# Altium PCB DIOT_8ch_isoSPI1.PcbDoc (part 3 of 5)
Units mm, origin at the board's own origin, x right, y up, seen from the top; angles counter-clockwise.
Board outline 222.37 x 100 mm, 4 copper layers (L1, P2, P3, L4), stack 1.512 mm thick; 416 components, 332 nets, 1541 pads, 695 vias.
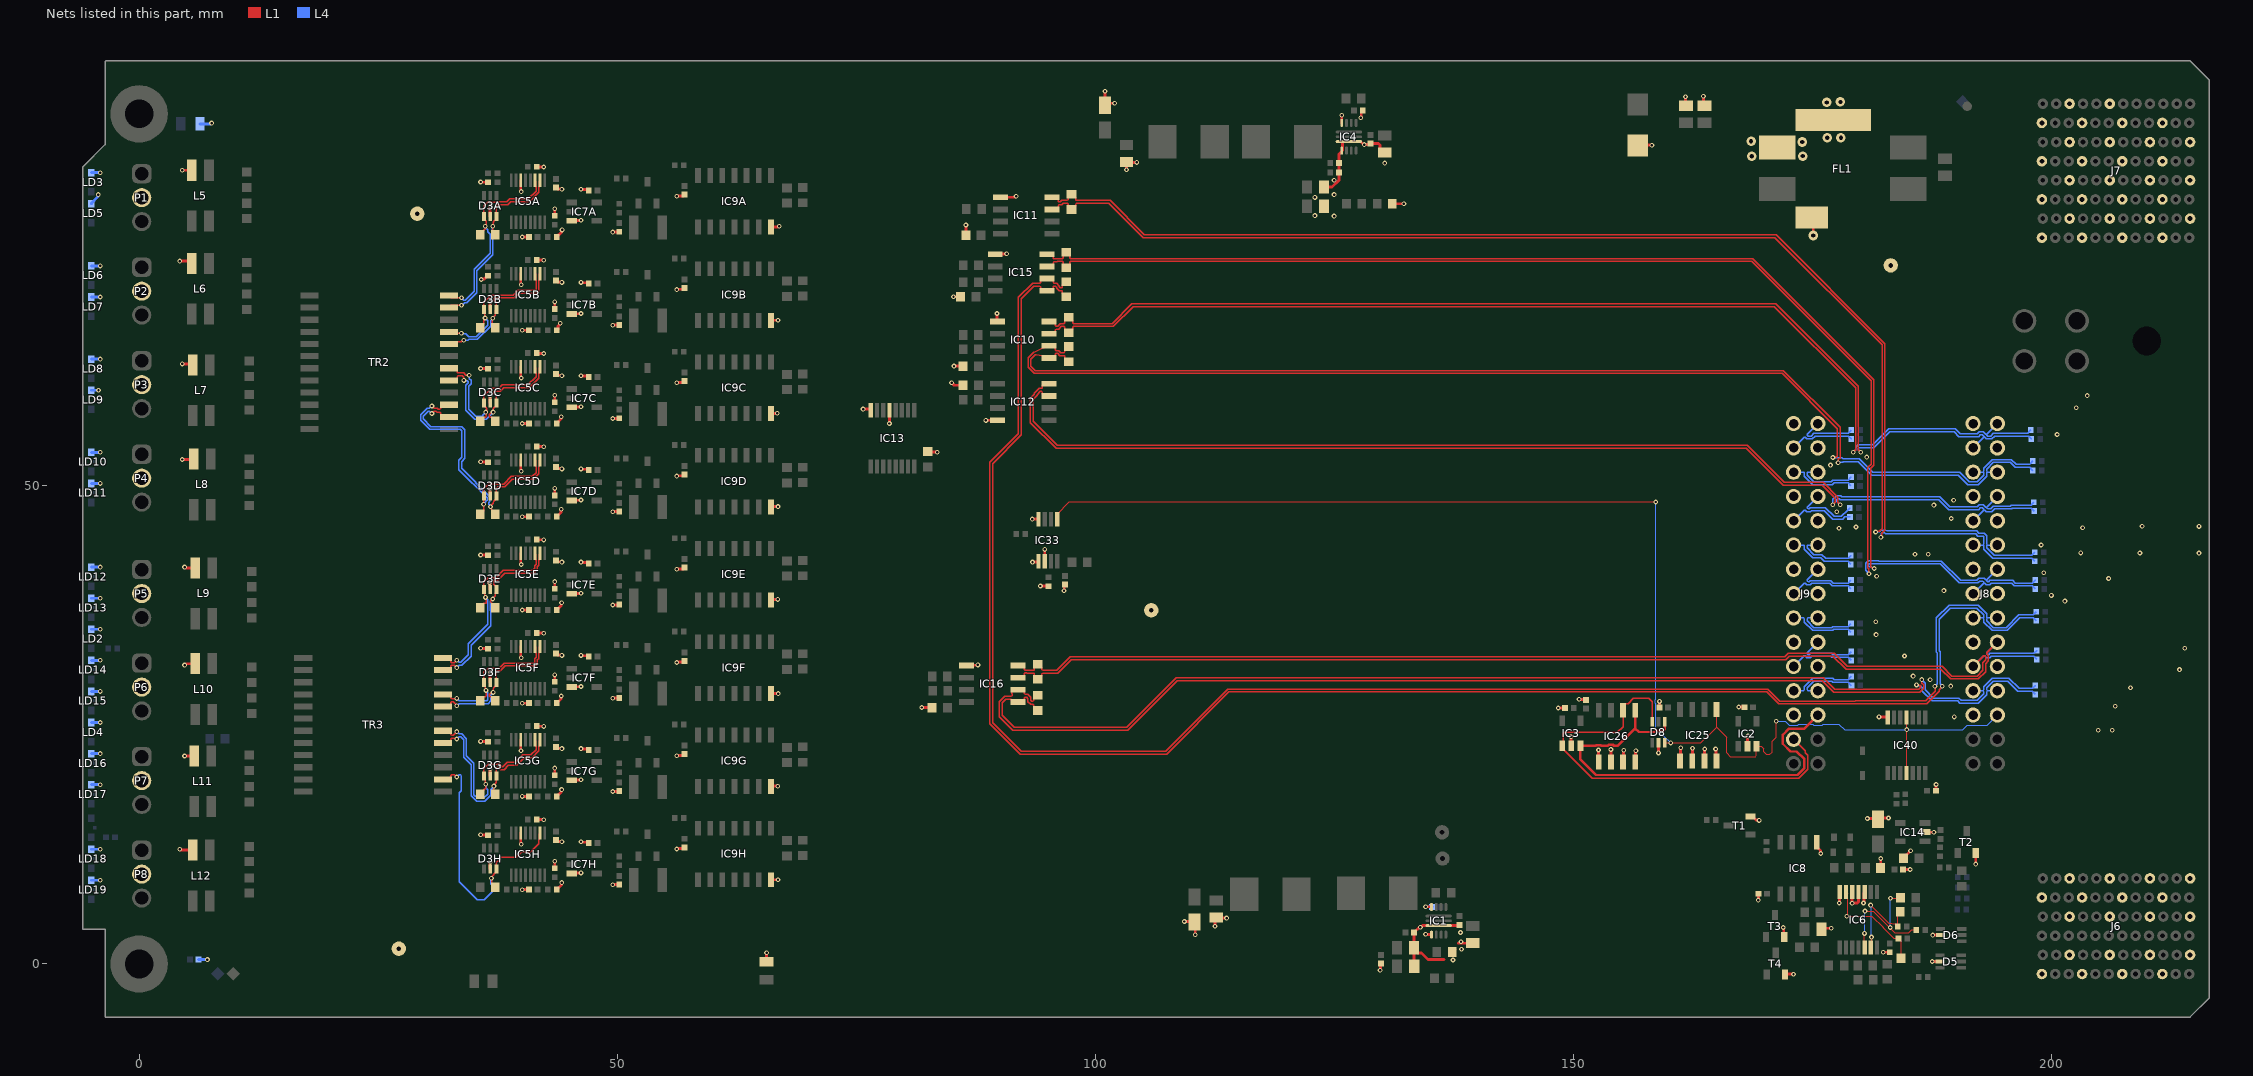
[diagram p5: the nets of this part, all layers, seen from the top]

## Via types
v1: diameter 0.5, hole 0.25, L1 to L4, tented both sides, 669 vias
v2: diameter 1, hole 0.45, L1 to L4, tented both sides, 26 vias

## Nets (pads, with @x,y where several pads share a name; then routed paths per layer and width w, separated by ;. In a path a pad name is that pad's centre, name@x,y a point inside that pad or via, vN(x,y) a via of type N, cw(c..) or ccw(c..) an arc to the next point about the centre after c; other vN are vias at no path point) (continued)
EEM0_I2C.SDA: D8.3 IC2.3 IC25.5 IC33.1 IC40.4 IC40.11 J8.26 | length 140.9
  L1 w0.125: IC33.1@95.992,46.507 95.992,47.032 97.27,48.311 v1(158.598,48.311) ; D8.3@159.527,23.132 159.545,23.114 163.297,23.114 164.948,24.765 ; IC25.5@164.948,26.627 164.948,24.765 ; v1(171.196,25.375) 171.196,23.698 170.785,23.287 170.785,22.163 170.528,21.906 170.163,21.906 169.887,22.182 169.887,22.503 169.611,22.779 IC2.3@169.123,22.779 169.123,21.765 169.05,21.692 166.395,21.692 166.014,22.073 166.014,23.701 165.941,23.774 165.938,23.774 164.948,24.765 ; IC40.11@184.81,19.985 184.836,20.011 v1(184.836,24.511) 184.836,25.76 IC40.4@184.81,25.785
  L4 w0.125: v1(158.598,48.311) 158.598,27.698 158.539,27.639 158.539,27.275 158.598,27.217 158.598,24.536 159.273,23.861 159.4,23.861 v1(160.147,23.114) ; v1(171.196,25.375) 172.155,25.375 172.563,24.967 173.443,24.967 173.544,25.068 175.002,25.068 175.103,24.967 175.983,24.967 176.084,25.068 177.751,25.068 178.333,24.486 190.678,24.486 191.16,24.968 193.25,24.968 J8.26@194.313,26.03
EEM_IO.LVDS_N0: IC10.4 J8.3 R26.2 R161.2 | length 119
  L1 w0.14: IC10.4@95.154,67.175 95.572,67.175 95.802,66.945 95.802,66.772 95.884,66.69 96.041,66.69 96.321,66.97 96.692,66.97 96.774,67.052 96.774,67.24 97.154,67.62 R26.2@97.204,67.62 97.254,67.62 97.634,67.24 97.634,67.052 97.716,66.97 101.73,66.97 103.81,69.05 171.124,69.05 179.787,60.387 179.787,53.762 180.025,53.525 v1(180.025,53.5)
  L4 w0.14: v1(180.025,53.5) 180.025,53.525 179.787,53.762 179.787,53.913 179.87,53.995 181.401,53.995 183.054,55.647 189.793,55.647 190.3,55.14 192.34,55.14 192.543,55.343 192.728,55.343 192.879,55.192 192.879,55.14 ; J8.3@191.773,53.97 192.879,55.076 192.879,55.14 ; R161.2@197.879,54.889 197.879,54.909 197.579,55.209 195.678,55.209 195.669,55.2 194.03,55.2 193.736,54.906 193.165,54.906 192.931,55.14 192.879,55.14
EEM_IO.LVDS_N1: IC10.1 J8.6 R24.1 R162.2 | length 121.1
  L1 w0.14: R24.1@97.204,62.97 97.189,62.97 96.809,63.35 96.809,63.538 96.727,63.62 96.271,63.62 96.041,63.85 95.884,63.85 95.802,63.768 95.802,63.595 95.572,63.365 94.679,63.365 94.449,63.595 93.811,63.723 ccw(c93.783,63.585) 93.685,63.685 93.25,63.25 93.25,62.5 93.7,62.05 171.939,62.05 177.874,56.115 177.874,52.959 177.68,52.764 177.68,52.428 v1(177.662,52.411)
  L4 w0.14: v1(177.662,52.411) 177.708,52.457 178.122,52.457 178.192,52.527 179.763,52.527 181.169,51.121 190.229,51.121 191.23,50.12 192.315,50.12 193.193,50.997 193.193,51.348 193.275,51.43 ; J8.6@194.313,51.43 193.275,51.43 ; R162.2@198.006,51.587 197.786,51.807 197.786,51.863 197.704,51.945 196.161,51.945 195.666,52.44 193.895,52.44 193.193,51.738 193.193,51.512 193.275,51.43
EEM_IO.LVDS_N2: IC12.7 J8.9 R163.2 | length 117
  L1 w0.14: IC12.7@95.154,59.405 94.679,59.405 94.449,59.635 94.449,59.808 94.367,59.89 94.251,59.89 93.9,59.539 93.9,59.458 93.497,59.055 93.497,56.744 96.012,54.229 168.169,54.229 172.039,50.359 173.446,50.359 173.455,50.368 175.025,50.368 175.034,50.359 176.1,50.359 177.639,48.82 177.639,48.293 177.876,48.056 v1(177.876,48.031)
  L4 w0.14: v1(177.876,48.031) 177.541,48.366 177.541,48.587 177.623,48.669 177.793,48.669 177.898,48.565 188.189,48.565 189.233,47.52 192.34,47.52 192.543,47.723 192.728,47.723 192.879,47.572 192.879,47.456 ; J8.9@191.773,46.35 192.879,47.456 ; R163.2@198.158,47.346 198.158,47.366 197.863,47.66 195.872,47.66 195.792,47.58 194.03,47.58 193.736,47.286 193.165,47.286 192.995,47.456 192.879,47.456
EEM_IO.LVDS_N3: IC11.3 J8.12 R29.1 R164.2 | length 133.9
  L1 w0.14: IC11.3@95.454,78.905 95.872,78.905 96.102,79.135 96.102,79.308 96.184,79.39 96.465,79.39 96.621,79.546 97.055,79.546 97.137,79.464 97.137,79.254 R29.1@97.495,78.896 97.545,78.896 97.925,79.276 97.925,79.464 98.007,79.546 101.398,79.546 104.994,75.95 171.05,75.95 182.25,64.75 182.25,49.5 182.25,45.5 181.987,45.237 181.651,45.237 v1(181.582,45.168)
  L4 w0.14: v1(181.582,45.168) 181.599,45.185 181.935,45.185 182.13,45.38 182.644,45.38 182.724,45.3 191.31,45.3 191.33,45.28 192.155,45.28 192.386,45.05 192.935,45.05 193.193,44.792 193.193,43.892 193.275,43.81 ; J8.12@194.313,43.81 193.275,43.81 ; R164.2@198.209,43.053 198.209,43.033 197.909,42.733 193.961,42.733 193.193,43.502 193.193,43.728 193.275,43.81
EEM_IO.LVDS_N4: IC15.4 J8.15 R42.2 R167.2 | length 134.3
  L1 w0.14: IC15.4@94.916,74.213 95.334,74.213 95.564,73.983 95.564,73.81 95.646,73.728 95.854,73.728 95.884,73.758 96.526,73.758 96.608,73.84 96.608,74.05 R42.2@96.966,74.408 97.324,74.05 97.324,73.84 97.406,73.758 168.742,73.758 181.401,61.099 181.401,52.151 181.079,51.829 181.079,41.533 181.191,41.42 181.363,41.42 v1(181.432,41.351)
  L4 w0.14: v1(181.432,41.351) 181.335,41.351 181.124,41.562 180.928,41.562 180.833,41.657 180.833,41.773 180.922,41.862 181.776,41.862 181.801,41.837 188.338,41.837 190.334,39.841 192.281,39.841 192.474,40.034 192.797,40.034 192.879,39.952 192.879,39.836 ; J8.15@191.773,38.73 192.879,39.836 ; R167.2@198.26,39.218 198.26,39.238 197.96,39.538 196.056,39.538 195.794,39.8 193.663,39.8 193.529,39.666 193.165,39.666 192.995,39.836 192.879,39.836
EEM_IO.LVDS_N5: IC15.1 J8.18 R36.1 R168.2 | length 177.5
  L1 w0.14: R36.1@96.966,69.758 96.916,69.758 96.536,70.138 96.536,70.326 96.454,70.408 96.214,70.408 95.939,70.683 95.939,70.752 95.803,70.888 95.646,70.888 95.564,70.806 95.564,70.633 95.334,70.403 IC15.1@94.916,70.403 94.498,70.403 94.268,70.633 94.268,70.806 94.186,70.888 93.562,70.888 92.25,69.576 92.25,55.326 89.25,52.326 89.25,25.25 92.25,22.25 107.326,22.25 113.829,28.753 170.325,28.753 171.579,27.499 179.432,27.499 179.441,27.508 186.825,27.508 187.819,28.502 187.819,28.996 v1(187.782,29.032)
  L4 w0.14: v1(187.782,29.032) 187.782,29.057 188.02,29.294 188.02,32.536 187.939,32.616 187.939,36.192 189.258,37.511 192.305,37.511 193.193,36.623 193.193,36.272 193.275,36.19 ; J8.18@194.313,36.19 193.275,36.19 ; R168.2@198.387,36.83 198.387,36.81 198.087,36.51 196.546,36.51 195.216,35.18 193.895,35.18 193.193,35.882 193.193,36.108 193.275,36.19
EEM_IO.LVDS_N6: IC16.4 J8.21 R48.2 R169.2 | length 114.7
  L1 w0.14: IC16.4@91.916,31.213 92.334,31.213 92.564,30.983 92.564,30.81 92.646,30.728 92.927,30.728 92.947,30.708 93.526,30.708 93.608,30.79 93.608,31 R48.2@93.966,31.358 94.016,31.358 94.396,30.978 94.396,30.79 94.478,30.708 95.944,30.708 97.362,32.126 172.083,32.126 172.435,32.479 177.241,32.479 178.61,31.11 188.542,31.11 189.552,30.1 192.191,30.1 192.783,30.692 192.783,31.517 193.077,31.811 193.077,32.134 192.995,32.216 192.879,32.216 J8.21@191.773,31.11
  L4 w0.14: J8.21@191.773,31.11 192.879,32.216 192.995,32.216 193.165,32.046 193.529,32.046 193.663,32.18 196.01,32.18 196.018,32.172 198.138,32.172 198.437,31.872 R169.2@198.437,31.852
EEM_IO.LVDS_N7: IC16.1 J8.24 R45.1 R170.2 | length 122.9
  L1 w0.14: R45.1@93.966,26.508 93.916,26.508 93.536,26.888 93.536,27.076 93.454,27.158 93.214,27.158 92.939,27.433 92.939,27.752 92.803,27.888 92.646,27.888 92.564,27.806 92.564,27.633 92.334,27.403 IC16.1@91.916,27.403 91.441,27.403 91.155,27.689 90.618,27.689 90.25,27.321 90.25,26 91.5,24.75 103.263,24.75 108.452,29.939 176.11,29.939 177.325,28.725 186.092,28.725 186.312,28.944 186.312,29.06 186.205,29.167 185.869,29.167 v1(185.852,29.185)
  L4 w0.14: v1(185.852,29.185) 185.921,29.116 186.269,29.116 186.478,28.908 186.478,28.527 187.505,27.499 190.153,27.499 190.392,27.26 192.315,27.26 193.193,28.137 193.193,28.488 193.275,28.57 ; J8.24@194.313,28.57 193.275,28.57 ; R170.2@198.26,28.194 198.26,28.214 197.96,28.514 196.464,28.514 195.398,29.58 193.895,29.58 193.193,28.878 193.193,28.652 193.275,28.57
EEM_IO.LVDS_N8: J9.3 R171.2 | length 6.8
  L4 w0.14: J9.3@173.003,53.969 174.109,55.075 174.225,55.075 174.395,54.905 174.966,54.905 175.26,55.199 176.891,55.199 176.902,55.209 178.732,55.209 179.032,54.909 R171.2@179.032,54.889
EEM_IO.LVDS_N9: J9.6 R172.2 | length 6.5
  L4 w0.14: J9.6@175.543,51.429 174.505,51.429 174.423,51.347 174.423,51.121 175.125,50.419 176.935,50.419 177.123,50.607 178.707,50.607 179.006,50.907 R172.2@179.006,50.927
EEM_IO.LVDS_N10: J9.9 R173.2 | length 7
  L4 w0.14: J9.9@173.003,46.349 174.109,47.455 174.225,47.455 174.395,47.285 174.759,47.285 174.893,47.419 176.21,47.419 177.117,46.512 178.127,46.512 178.376,46.761 R173.2@178.905,46.761
EEM_IO.LVDS_N11: J9.12 R174.2 | length 6.6
  L4 w0.14: J9.12@175.543,43.809 174.505,43.809 174.423,43.727 174.423,43.501 175.125,42.799 175.95,42.799 176.346,42.403 178.694,42.403 178.994,42.703 R174.2@178.994,42.723
EEM_IO.LVDS_N12: J9.15 R175.2 | length 6.8
  L4 w0.14: J9.15@173.003,38.729 174.109,39.835 174.225,39.835 174.395,39.665 174.759,39.665 174.893,39.799 176.776,39.799 177.05,39.525 178.719,39.525 179.006,39.238 R175.2@179.006,39.218
EEM_IO.LVDS_N13: J9.18 R176.2 | length 6.4
  L4 w0.14: J9.18@175.543,36.189 174.505,36.189 174.423,36.107 174.423,35.881 175.125,35.179 176.979,35.179 177.079,35.278 178.719,35.278 179.006,35.565 R176.2@179.006,35.585
EEM_IO.LVDS_N14: J9.21 R177.2 | length 6.8
  L4 w0.14: J9.21@173.003,31.109 174.109,32.215 174.225,32.215 174.395,32.045 174.759,32.045 174.893,32.179 176.865,32.179 176.987,32.057 178.745,32.057 179.032,31.77 R177.2@179.032,31.75
EEM_IO.LVDS_N15: J9.24 R144.1 | length 6.5
  L4 w0.14: J9.24@175.543,28.569 174.505,28.569 174.423,28.651 174.423,28.877 175.125,29.579 176.978,29.579 177.118,29.438 178.755,29.438 178.837,29.356 178.837,29.328 R144.1@179.057,29.108
EEM_IO.LVDS_P0: IC10.3 J8.2 R26.1 R145.2 | length 119
  L1 w0.14: IC10.3@95.154,65.905 95.572,65.905 95.802,66.135 95.802,66.308 95.884,66.39 96.165,66.39 96.445,66.67 96.692,66.67 96.774,66.588 96.774,66.4 97.154,66.02 R26.1@97.204,66.02 97.254,66.02 97.634,66.4 97.634,66.588 97.716,66.67 ; 97.766,66.67 97.716,66.67 ; v1(179.25,53.5) 179.25,53.525 179.487,53.762 179.487,60.263 171,68.75 103.934,68.75 101.854,66.67 97.716,66.67
  L4 w0.14: v1(179.25,53.5) 179.25,53.525 179.487,53.762 179.487,54.037 179.745,54.295 181.277,54.295 182.929,55.947 189.917,55.947 190.424,55.44 192.216,55.44 192.419,55.643 192.852,55.643 193.091,55.404 193.207,55.404 ; J8.2@194.313,56.51 193.207,55.404 ; R145.2@197.815,55.855 197.595,55.635 197.595,55.591 197.513,55.509 195.553,55.509 195.545,55.5 193.905,55.5 193.611,55.206 193.289,55.206 193.207,55.288 193.207,55.404
EEM_IO.LVDS_P1: IC10.2 J8.5 R24.2 R146.2 | length 121.9
  L1 w0.14: R24.2@97.204,64.57 97.189,64.57 96.809,64.19 96.809,64.002 96.727,63.92 96.395,63.92 96.165,64.15 95.884,64.15 95.802,64.232 95.802,64.405 95.572,64.635 94.449,64.405 93.588,63.98 ccw(c93.783,63.585) 93.475,63.899 ccw(c93.572,63.798) 93.474,63.898 92.95,63.374 92.95,62.376 93.576,61.75 171.815,61.75 177.574,55.991 177.574,53.083 177.467,52.976 177.132,52.976 v1(177.114,52.959)
  L4 w0.14: v1(177.114,52.959) 178.06,52.959 178.192,52.827 179.888,52.827 181.294,51.421 190.353,51.421 191.355,50.42 192.191,50.42 192.893,51.122 192.893,51.348 192.811,51.43 ; J8.5@191.773,51.43 192.811,51.43 ; R146.2@198.006,52.603 197.786,52.383 197.786,52.327 197.704,52.245 196.285,52.245 195.791,52.74 193.77,52.74 192.893,51.863 192.893,51.512 192.811,51.43
EEM_IO.LVDS_P2: IC12.8 J8.8 R147.2 | length 117.9
  L1 w0.14: IC12.8@95.154,60.675 94.679,60.675 94.449,60.445 94.449,60.272 94.367,60.19 94.127,60.19 93.6,59.663 93.6,59.582 93.197,59.179 93.197,56.619 95.888,53.929 168.044,53.929 171.914,50.059 173.57,50.059 173.58,50.068 174.901,50.068 174.91,50.059 175.976,50.059 177.339,48.696 177.339,48.293 177.101,48.056 v1(177.101,48.031)
  L4 w0.14: v1(177.101,48.031) 177.101,48.572 177.499,48.969 177.917,48.969 178.022,48.865 188.313,48.865 189.358,47.82 192.216,47.82 192.419,48.023 192.852,48.023 193.091,47.784 193.207,47.784 ; J8.8@194.313,48.89 193.207,47.784 ; R147.2@198.133,48.285 197.913,48.065 197.913,48.042 197.831,47.96 195.748,47.96 195.668,47.88 193.905,47.88 193.611,47.586 193.289,47.586 193.207,47.668 193.207,47.784
EEM_IO.LVDS_P3: IC11.4 J8.11 R29.2 R148.2 | length 134.4
  L1 w0.14: IC11.4@95.454,80.175 95.872,80.175 96.102,79.945 96.102,79.772 96.184,79.69 96.341,79.69 96.497,79.846 97.055,79.846 97.137,79.928 97.137,80.138 R29.2@97.495,80.496 97.545,80.496 97.925,80.116 97.925,79.928 98.007,79.846 101.522,79.846 105.118,76.25 171.174,76.25 182.55,64.874 182.55,49.376 182.55,45.376 182.199,45.025 182.199,44.689 v1(182.13,44.62)
  L4 w0.14: v1(182.13,44.62) 182.147,44.637 182.147,44.973 182.254,45.08 182.52,45.08 182.6,45 191.185,45 191.205,44.98 192.031,44.98 192.261,44.75 192.811,44.75 192.893,44.668 192.893,43.892 192.811,43.81 ; J8.11@191.773,43.81 192.811,43.81 ; R148.2@198.209,42.113 198.209,42.133 197.909,42.433 193.837,42.433 192.893,43.377 192.893,43.728 192.811,43.81
EEM_IO.LVDS_P4: IC15.3 J8.14 R42.1 R149.2 | length 134.9
  L1 w0.14: IC15.3@94.916,72.943 95.334,72.943 95.564,73.173 95.564,73.346 95.646,73.428 95.978,73.428 96.008,73.458 96.526,73.458 96.608,73.376 96.608,73.166 R42.1@96.966,72.808 97.324,73.166 97.324,73.376 97.406,73.458 168.618,73.458 181.101,60.974 181.101,52.276 180.779,51.953 180.779,41.408 180.884,41.303 v1(180.884,40.803)
  L4 w0.14: v1(180.884,40.803) 180.533,41.154 180.533,41.897 180.798,42.162 181.9,42.162 181.925,42.137 188.462,42.137 190.458,40.141 192.157,40.141 192.35,40.334 192.921,40.334 193.091,40.164 193.207,40.164 ; J8.14@194.313,41.27 193.207,40.164 ; R149.2@198.26,40.157 198.26,40.137 197.96,39.837 196.18,39.837 195.918,40.1 193.539,40.1 193.405,39.966 193.289,39.966 193.207,40.048 193.207,40.164
EEM_IO.LVDS_P5: IC15.2 J8.17 R36.2 R150.2 | length 178.7
  L1 w0.14: R36.2@96.966,71.358 96.916,71.358 96.536,70.978 96.536,70.79 96.454,70.708 96.338,70.708 96.239,70.807 96.239,70.877 95.927,71.188 95.646,71.188 95.564,71.27 95.564,71.443 95.334,71.673 IC15.2@94.916,71.673 94.498,71.673 94.268,71.443 94.268,71.27 94.186,71.188 93.438,71.188 91.95,69.7 91.95,55.45 88.95,52.45 88.95,25.126 92.126,21.95 107.45,21.95 113.953,28.453 170.201,28.453 171.454,27.199 179.556,27.199 179.566,27.208 186.949,27.208 188.26,28.519 188.26,28.679 188.557,28.977 v1(188.557,29.032)
  L4 w0.14: v1(188.557,29.032) 188.557,29.057 188.32,29.294 188.32,32.66 188.239,32.74 188.239,36.068 189.382,37.211 192.18,37.211 192.893,36.498 192.893,36.272 192.811,36.19 ; J8.17@191.773,36.19 192.811,36.19 ; R150.2@198.387,35.89 198.387,35.91 198.087,36.21 196.67,36.21 195.34,34.88 193.77,34.88 192.893,35.757 192.893,36.108 192.811,36.19
EEM_IO.LVDS_P6: IC16.3 J8.20 R48.1 R151.2 | length 115.2
  L1 w0.14: IC16.3@91.916,29.943 92.334,29.943 92.564,30.173 92.564,30.346 92.646,30.428 92.803,30.428 92.823,30.408 93.526,30.408 93.608,30.326 93.608,30.116 R48.1@93.966,29.758 94.016,29.758 94.396,30.138 94.396,30.326 94.478,30.408 96.068,30.408 97.486,31.826 172.207,31.826 172.56,32.179 177.117,32.179 178.486,30.81 188.417,30.81 189.427,29.8 192.315,29.8 193.083,30.567 193.083,31.393 193.377,31.687 193.377,32.258 193.207,32.428 193.207,32.544 J8.20@194.313,33.65
  L4 w0.14: J8.20@194.313,33.65 193.207,32.544 193.207,32.428 193.289,32.346 193.405,32.346 193.539,32.48 196.134,32.48 196.142,32.471 198.138,32.471 198.437,32.771 R151.2@198.437,32.791
EEM_IO.LVDS_P7: IC16.2 J8.23 R45.2 R152.2 | length 124.8
  L1 w0.14: 91.268,28.27 91.268,28.443 91.498,28.673 IC16.2@91.916,28.673 92.334,28.673 92.564,28.443 92.564,28.27 92.646,28.188 92.927,28.188 93.239,27.877 93.239,27.557 93.338,27.458 93.454,27.458 93.536,27.54 93.536,27.728 93.916,28.108 R45.2@93.966,28.108 ; 91.274,28.276 91.274,28.071 91.192,27.989 90.494,27.989 89.95,27.445 89.95,25.876 91.376,24.45 103.387,24.45 108.576,29.639 175.986,29.639 177.201,28.425 186.216,28.425 186.612,28.82 186.612,29.185 186.417,29.379 186.417,29.715 v1(186.4,29.733)
  L4 w0.14: v1(186.4,29.733) 186.778,29.355 186.778,28.651 187.629,27.799 190.277,27.799 190.516,27.56 192.191,27.56 192.893,28.262 192.893,28.488 192.811,28.57 ; J8.23@191.773,28.57 192.811,28.57 ; R152.2@198.26,29.134 198.26,29.114 197.96,28.814 196.588,28.814 195.522,29.88 193.77,29.88 192.893,29.003 192.893,28.652 192.811,28.57
EEM_IO.LVDS_P8: J9.2 R5.2 | length 6.6
  L4 w0.14: J9.2@175.543,56.509 174.437,55.403 174.437,55.287 174.519,55.205 174.841,55.205 175.135,55.499 176.767,55.499 176.777,55.509 178.732,55.509 179.032,55.809 R5.2@179.032,55.829
EEM_IO.LVDS_P9: J9.5 R6.2 | length 7
  L4 w0.14: J9.5@173.003,51.429 174.041,51.429 174.123,51.347 174.123,50.996 175,50.119 177.059,50.119 177.247,50.307 178.707,50.307 179.006,50.007 R6.2@179.006,49.987
EEM_IO.LVDS_P10: J9.8 R7.2 | length 7
  L4 w0.14: J9.8@175.543,48.889 174.437,47.783 174.437,47.667 174.519,47.585 174.635,47.585 174.769,47.719 176.334,47.719 177.241,46.812 178.003,46.812 178.652,47.461 178.672,47.461 178.892,47.681 R7.2@178.892,47.701
EEM_IO.LVDS_P11: J9.11 R156.2 | length 7
  L4 w0.14: J9.11@173.003,43.809 174.041,43.809 174.123,43.727 174.123,43.376 175,42.499 175.826,42.499 176.222,42.103 178.694,42.103 178.994,41.803 R156.2@178.994,41.783
EEM_IO.LVDS_P12: J9.14 R157.2 | length 6.6
  L4 w0.14: J9.14@175.543,41.269 174.437,40.163 174.437,40.047 174.519,39.965 174.635,39.965 174.769,40.099 176.901,40.099 177.175,39.825 178.719,39.825 179.006,40.112 R157.2@179.006,40.132
EEM_IO.LVDS_P13: J9.17 R158.2 | length 6.9
  L4 w0.14: J9.17@173.003,36.189 174.041,36.189 174.123,36.107 174.123,35.756 175,34.879 177.104,34.879 177.203,34.978 178.719,34.978 179.006,34.691 R158.2@179.006,34.671
EEM_IO.LVDS_P14: J9.20 R159.2 | length 6.6
  L4 w0.14: J9.20@175.543,33.649 174.437,32.543 174.437,32.427 174.519,32.345 174.635,32.345 174.769,32.479 176.989,32.479 177.111,32.357 178.745,32.357 179.032,32.644 R159.2@179.032,32.664
EEM_IO.LVDS_P15: J9.23 R143.1 | length 7
  L4 w0.14: J9.23@173.003,28.569 174.041,28.569 174.123,28.651 174.123,29.002 175,29.879 177.102,29.879 177.243,29.738 178.743,29.738 178.825,29.82 178.825,29.854 R143.1@179.045,30.074
GA0: IC6.6 R46.2 R130.1 | length 11.1
  L1 w0.125: IC6.6@178.481,7.513 178.644,7.35 178.644,5.177 178.634,5.167 178.634,5.004 v1@178.644,4.994 ; v1(178.562,4.994) v1@178.644,4.994 ; R46.2@184.239,0.61 184.239,2.355 183.972,2.622 R130.1@183.972,2.642 183.947,2.667 183.495,2.667 182.354,3.807 182.354,3.829 181.19,4.994 v1@178.644,4.994
GA1: IC6.12 R2.2 R131.1 | length 14.4
  L1 w0.125: v1(180.416,3.2) 180.416,1.728 IC6.12@180.431,1.713 ; v1(180.467,5.527) 181.33,5.527 183.588,3.269 185.048,3.269 185.336,3.556 R131.1@185.839,3.556 ; v1(183.134,6.883) 184.137,6.883 R2.2@184.188,6.934
  L4 w0.125: v1(180.416,3.2) 180.442,3.226 180.442,5.502 v1(180.467,5.527) ; v1(183.109,3.81) 183.121,3.823 183.121,6.871 v1(183.134,6.883)
GA2: IC6.13 R30.2 R136.1 | length 9.9
  L1 w0.125: v1(181.058,6.155) 182.964,4.249 183.291,4.25 183.356,4.184 183.681,4.184 R136.1@183.909,3.957 ; IC6.13@181.081,1.713 181.153,1.784 v1(181.153,2.809) ; R136.1@183.909,3.937 R136.1@183.909,3.957 ; R30.2@184.163,5.461 183.909,5.207 R136.1@183.909,3.957
  L4 w0.125: v1(181.058,6.155) 181.101,6.112 181.101,2.861 v1(181.153,2.809)
GND: B6.1 B16.1 B17.1 B18.1 C1.1 C2.1 C3.1 C4.1 C5.1 C6.1 C7.1 C8.1 C9.2 C10.1 C11.1 C12.1 C13.1 C14.1 C15A.1 C15B.1 C15C.1 C15D.1 C15E.1 C15F.1 C15G.1 C15H.1 C16A.1 C16B.1 C16C.1 C16D.1 C16E.1 C16F.1 C16G.1 C16H.1 C17A.1 C17B.1 C17C.1 C17D.1 C17E.1 C17F.1 C17G.1 C17H.1 C19.2 C20.2 C21.1 C22.2 C23.1 C24.2 C25A.1 C25B.1 C25C.1 C25D.1 C25E.1 C25F.1 C25G.1 C25H.1 C26A.1 C26B.1 C26C.1 C26D.1 C26E.1 C26F.1 C26G.1 C26H.1 C40.1 C79.1 C80.1 C81.1 C82.1 C83.1 C84.1 C85.2 C86.1 C87.1 C102.2 C212.2 C219.1 C220.1 C245.1 C262.1 C263.1 C298.1 C306.1 C307.1 D3A.2 D3B.2 D3C.2 D3D.2 D3E.2 D3F.2 D3G.2 D3H.2 D5.2 D6.2 D8.2 D10.2 FL1.4 IC1.3 IC1.4 IC1.11 IC2.2 IC3.2 IC4.3 IC4.4 IC4.11 IC5A.14 IC5B.14 IC5C.14 IC5D.14 IC5E.14 IC5F.14 IC5G.14 IC5H.14 IC6.3 IC6.4 IC6.5 IC6.7 IC7A.3 IC7B.3 IC7C.3 IC7D.3 IC7E.3 IC7F.3 IC7G.3 IC7H.3 IC8.1 IC9A.7 IC9B.7 IC9C.7 IC9D.7 IC9E.7 IC9F.7 IC9G.7 IC9H.7 IC10.5 IC11.5 IC12.4 IC13.5 IC13.8 IC14.2 IC15.5 IC16.5 IC25.1 IC25.2 IC25.3 IC25.4 IC26.1 IC26.2 IC26.3 IC26.4 IC33.4 IC33.5 IC33.6 IC40.7 J6.A2 J6.A4 J6.A6 J6.C1 J6.C5 J6.D2 J6.D4 J6.D6 J6.F1 J6.F5 J6.G2 J6.G4 J6.G6 J6.I1 J6.I5 J6.J2 J6.J4 J6.J6 J6.L1 J6.L5 J7.A2 J7.A4 J7.A6 J7.C1 J7.C3 J7.C5 J7.C7 J7.D2 J7.D4 J7.D6 J7.F1 J7.F3 J7.F5 J7.F7 J7.G2 J7.G4 J7.G6 J7.G8 J7.I1 J7.I3 J7.I5 J7.I7 J7.J2 J7.J4 J7.J6 J7.J8 J7.L1 J7.L3 J7.L5 J7.L7 J8.1 J8.4 J8.7 J8.10 J8.13 J8.16 J8.19 J8.22 J8.25 J9.1 J9.4 J9.7 J9.10 J9.13 J9.16 J9.19 J9.22 J9.25 L5.3 L6.3 L7.3 L8.3 L9.3 L10.3 L11.3 L12.3 LD2.1 LD3.1 LD4.1 LD5.1 LD6.1 LD7.1 LD8.1 LD9.1 LD10.1 LD11.1 LD12.1 LD13.1 LD14.1 LD15.1 LD16.1 LD17.1 LD18.1 LD19.1 P1.2 P2.2 P3.2 P4.2 P5.2 P6.2 P7.2 P8.2 R9.1 R12.1 R15A.2 R15B.2 R15C.2 R15D.2 R15E.2 R15F.2 R15G.2 R15H.2 R16A.1 R16B.1 R16C.1 R16D.1 R16E.1 R16F.1 R16G.1 R16H.1 R18A.1 R18B.1 R18C.1 R18D.1 R18E.1 R18F.1 R18G.1 R18H.1 R19A.1 R19B.1 R19C.1 R19D.1 R19E.1 R19F.1 R19G.1 R19H.1 R119.2 R126.2 R194.1 T1.2 T2.2 T3.2 T4.2 | length 219